# Altium PCB touch-2ch-v4.PcbDoc (part 3 of 8)
Units mm, origin at the board's own origin, x right, y up, seen from the top; angles counter-clockwise.
Board outline 39.88 x 84.36 mm, 2 copper layers (Top Layer, Bottom Layer); 1029 components, 40 nets, 2604 pads, 0 vias.
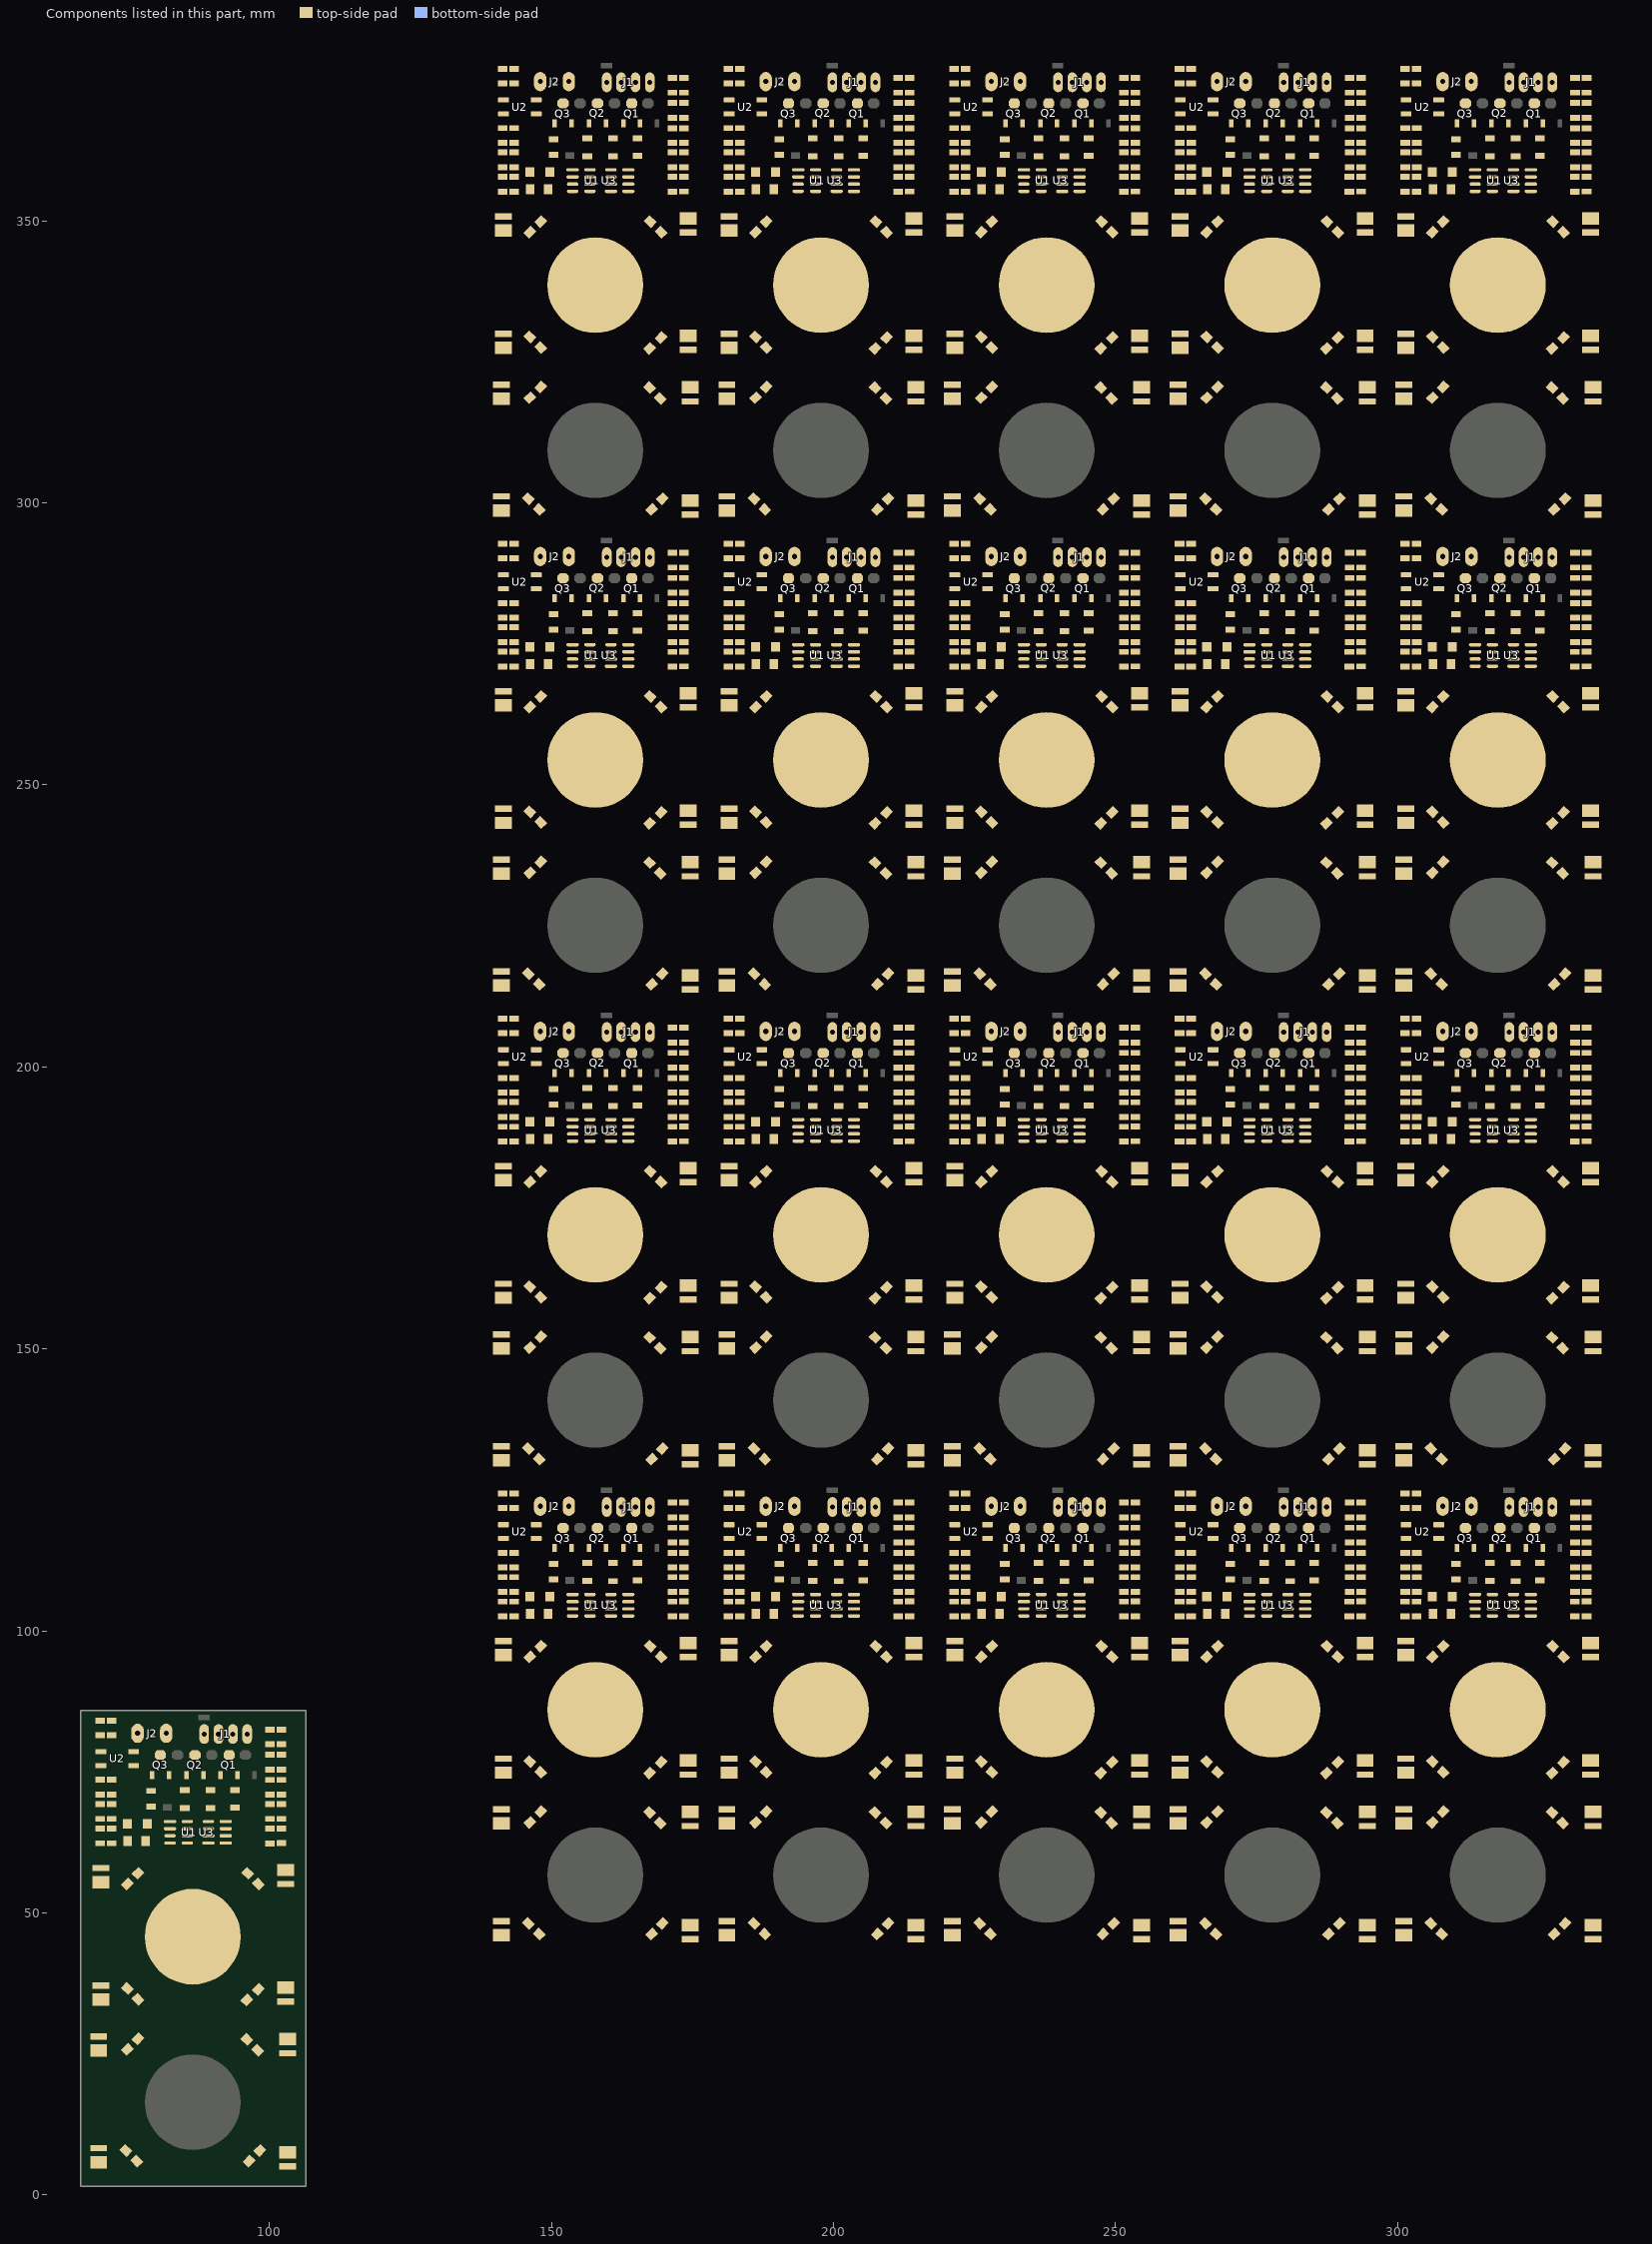
[diagram p3: the components of this part, seen from the top]

## Nets (pads, with @x,y where several pads share a name; then routed paths per layer and width w, separated by ;. In a path a pad name is that pad's centre, name@x,y a point inside that pad or via, vN(x,y) a via of type N, cw(c..) or ccw(c..) an arc to the next point about the centre after c; other vN are vias at no path point) (continued)
pads on no net: C1.1@146.177,106.045 C1.1@146.177,190.245 C1.1@146.177,274.445 C1.1@146.177,358.645 C1.1@186.177,106.045 C1.1@186.177,190.245 C1.1@186.177,274.445 C1.1@186.177,358.645 C1.1@226.177,106.045 C1.1@226.177,190.245 C1.1@226.177,274.445 C1.1@226.177,358.645 C1.1@266.177,106.045 C1.1@266.177,190.245 C1.1@266.177,274.445 C1.1@266.177,358.645 C1.1@306.177,106.045 C1.1@306.177,190.245 C1.1@306.177,274.445 C1.1@306.177,358.645 C1.2@149.733,106.045 C1.2@149.733,190.245 C1.2@149.733,274.445 C1.2@149.733,358.645 C1.2@189.733,106.045 C1.2@189.733,190.245 C1.2@189.733,274.445 C1.2@189.733,358.645 C1.2@229.733,106.045 C1.2@229.733,190.245 C1.2@229.733,274.445 C1.2@229.733,358.645 C1.2@269.733,106.045 C1.2@269.733,190.245 C1.2@269.733,274.445 C1.2@269.733,358.645 C1.2@309.733,106.045 C1.2@309.733,190.245 C1.2@309.733,274.445 C1.2@309.733,358.645 D1.1@149.432,102.997 D1.1@149.432,187.197 D1.1@149.432,271.397 D1.1@149.432,355.597 D1.1@189.432,102.997 D1.1@189.432,187.197 D1.1@189.432,271.397 D1.1@189.432,355.597 D1.1@229.432,102.997 D1.1@229.432,187.197 D1.1@229.432,271.397 D1.1@229.432,355.597 D1.1@269.432,102.997 D1.1@269.432,187.197 D1.1@269.432,271.397 D1.1@269.432,355.597 D1.1@309.432,102.997 D1.1@309.432,187.197 D1.1@309.432,271.397 D1.1@309.432,355.597 D1.2@146.252,102.997 D1.2@146.252,187.197 D1.2@146.252,271.397 D1.2@146.252,355.597 D1.2@186.252,102.997 D1.2@186.252,187.197 D1.2@186.252,271.397 D1.2@186.252,355.597 D1.2@226.252,102.997 D1.2@226.252,187.197 D1.2@226.252,271.397 D1.2@226.252,355.597 D1.2@266.252,102.997 D1.2@266.252,187.197 D1.2@266.252,271.397 D1.2@266.252,355.597 D1.2@306.252,102.997 D1.2@306.252,187.197 D1.2@306.252,271.397 D1.2@306.252,355.597 D2.1@167.513,97.282 D2.1@167.513,181.482 D2.1@167.513,265.682 D2.1@167.513,349.882 D2.1@207.513,97.282 D2.1@207.513,181.482 D2.1@207.513,265.682 D2.1@207.513,349.882 D2.1@247.513,97.282 D2.1@247.513,181.482 D2.1@247.513,265.682 D2.1@247.513,349.882 D2.1@287.513,97.282 D2.1@287.513,181.482 D2.1@287.513,265.682 D2.1@287.513,349.882 D2.1@327.513,97.282 D2.1@327.513,181.482 D2.1@327.513,265.682 D2.1@327.513,349.882 D2.2@169.418,95.377 D2.2@169.418,179.577 D2.2@169.418,263.777 D2.2@169.418,347.977 D2.2@209.418,95.377 D2.2@209.418,179.577 D2.2@209.418,263.777 D2.2@209.418,347.977 D2.2@249.418,95.377 D2.2@249.418,179.577 D2.2@249.418,263.777 D2.2@249.418,347.977 D2.2@289.418,95.377 D2.2@289.418,179.577 D2.2@289.418,263.777 D2.2@289.418,347.977 D2.2@329.418,95.377 D2.2@329.418,179.577 D2.2@329.418,263.777 D2.2@329.418,347.977 D3.1@169.418,76.708 D3.1@169.418,160.908 D3.1@169.418,245.108 D3.1@169.418,329.308 D3.1@209.418,76.708 D3.1@209.418,160.908 D3.1@209.418,245.108 D3.1@209.418,329.308 D3.1@249.418,76.708 D3.1@249.418,160.908 D3.1@249.418,245.108 D3.1@249.418,329.308 D3.1@289.418,76.708 D3.1@289.418,160.908 D3.1@289.418,245.108 D3.1@289.418,329.308 D3.1@329.418,76.708 D3.1@329.418,160.908 D3.1@329.418,245.108 D3.1@329.418,329.308 D3.2@167.386,74.803 D3.2@167.386,159.003 D3.2@167.386,243.203 D3.2@167.386,327.403 D3.2@207.386,74.803 D3.2@207.386,159.003 D3.2@207.386,243.203 D3.2@207.386,327.403 D3.2@247.386,74.803 D3.2@247.386,159.003 D3.2@247.386,243.203 D3.2@247.386,327.403 D3.2@287.386,74.803 D3.2@287.386,159.003 D3.2@287.386,243.203 D3.2@287.386,327.403 D3.2@327.386,74.803 D3.2@327.386,159.003 D3.2@327.386,243.203 D3.2@327.386,327.403 D4.1@167.386,67.818 D4.1@167.386,152.018 D4.1@167.386,236.218 D4.1@167.386,320.418 D4.1@207.386,67.818 D4.1@207.386,152.018 D4.1@207.386,236.218 D4.1@207.386,320.418 D4.1@247.386,67.818 D4.1@247.386,152.018 D4.1@247.386,236.218 D4.1@247.386,320.418 D4.1@287.386,67.818 D4.1@287.386,152.018 D4.1@287.386,236.218 D4.1@287.386,320.418 D4.1@327.386,67.818 D4.1@327.386,152.018 D4.1@327.386,236.218 D4.1@327.386,320.418 D4.2@169.291,65.913 D4.2@169.291,150.113 D4.2@169.291,234.313 D4.2@169.291,318.513 D4.2@209.291,65.913 D4.2@209.291,150.113 D4.2@209.291,234.313 D4.2@209.291,318.513 D4.2@249.291,65.913 D4.2@249.291,150.113 D4.2@249.291,234.313 D4.2@249.291,318.513 D4.2@289.291,65.913 D4.2@289.291,150.113 D4.2@289.291,234.313 D4.2@289.291,318.513 D4.2@329.291,65.913 D4.2@329.291,150.113 D4.2@329.291,234.313 D4.2@329.291,318.513 D5.1@169.672,48.133 D5.1@169.672,132.333 D5.1@169.672,216.533 D5.1@169.672,300.733 D5.1@209.672,48.133 D5.1@209.672,132.333 D5.1@209.672,216.533 D5.1@209.672,300.733 D5.1@249.672,48.133 D5.1@249.672,132.333 D5.1@249.672,216.533 D5.1@249.672,300.733 D5.1@289.672,48.133 D5.1@289.672,132.333 D5.1@289.672,216.533 D5.1@289.672,300.733 D5.1@329.672,48.133 D5.1@329.672,132.333 D5.1@329.672,216.533 D5.1@329.672,300.733 D5.2@167.767,46.228 D5.2@167.767,130.428 D5.2@167.767,214.628 D5.2@167.767,298.828 D5.2@207.767,46.228 D5.2@207.767,130.428 D5.2@207.767,214.628 D5.2@207.767,298.828 D5.2@247.767,46.228 D5.2@247.767,130.428 D5.2@247.767,214.628 D5.2@247.767,298.828 D5.2@287.767,46.228 D5.2@287.767,130.428 D5.2@287.767,214.628 D5.2@287.767,298.828 D5.2@327.767,46.228 D5.2@327.767,130.428 D5.2@327.767,214.628 D5.2@327.767,298.828 D6.1@147.828,46.228 D6.1@147.828,130.428 D6.1@147.828,214.628 D6.1@147.828,298.828 D6.1@187.828,46.228 D6.1@187.828,130.428 D6.1@187.828,214.628 D6.1@187.828,298.828 D6.1@227.828,46.228 D6.1@227.828,130.428 D6.1@227.828,214.628 D6.1@227.828,298.828 D6.1@267.828,46.228 D6.1@267.828,130.428 D6.1@267.828,214.628 D6.1@267.828,298.828 D6.1@307.828,46.228 D6.1@307.828,130.428 D6.1@307.828,214.628 D6.1@307.828,298.828 D6.2@145.923,48.133 D6.2@145.923,132.333 D6.2@145.923,216.533 D6.2@145.923,300.733 D6.2@185.923,48.133 D6.2@185.923,132.333 D6.2@185.923,216.533 D6.2@185.923,300.733 D6.2@225.923,48.133 D6.2@225.923,132.333 D6.2@225.923,216.533 D6.2@225.923,300.733 D6.2@265.923,48.133 D6.2@265.923,132.333 D6.2@265.923,216.533 D6.2@265.923,300.733 D6.2@305.923,48.133 D6.2@305.923,132.333 D6.2@305.923,216.533 D6.2@305.923,300.733 D7.1@146.177,66.04 D7.1@146.177,150.24 D7.1@146.177,234.44 D7.1@146.177,318.64 D7.1@186.177,66.04 D7.1@186.177,150.24 D7.1@186.177,234.44 D7.1@186.177,318.64 D7.1@226.177,66.04 D7.1@226.177,150.24 D7.1@226.177,234.44 D7.1@226.177,318.64 D7.1@266.177,66.04 D7.1@266.177,150.24 D7.1@266.177,234.44 D7.1@266.177,318.64 D7.1@306.177,66.04 D7.1@306.177,150.24 D7.1@306.177,234.44 D7.1@306.177,318.64 D7.2@148.082,67.945 D7.2@148.082,152.145 D7.2@148.082,236.345 D7.2@148.082,320.545 D7.2@188.082,67.945 D7.2@188.082,152.145 D7.2@188.082,236.345 D7.2@188.082,320.545 D7.2@228.082,67.945 D7.2@228.082,152.145 D7.2@228.082,236.345 D7.2@228.082,320.545 D7.2@268.082,67.945 D7.2@268.082,152.145 D7.2@268.082,236.345 D7.2@268.082,320.545 D7.2@308.082,67.945 D7.2@308.082,152.145 D7.2@308.082,236.345 D7.2@308.082,320.545 D8.1@148.082,74.93 D8.1@148.082,159.13 D8.1@148.082,243.33 D8.1@148.082,327.53 D8.1@188.082,74.93 D8.1@188.082,159.13 D8.1@188.082,243.33 D8.1@188.082,327.53 D8.1@228.082,74.93 D8.1@228.082,159.13 D8.1@228.082,243.33 D8.1@228.082,327.53 D8.1@268.082,74.93 D8.1@268.082,159.13 D8.1@268.082,243.33 D8.1@268.082,327.53 D8.1@308.082,74.93 D8.1@308.082,159.13 D8.1@308.082,243.33 D8.1@308.082,327.53 D8.2@146.177,76.835 D8.2@146.177,161.035 D8.2@146.177,245.235 D8.2@146.177,329.435 D8.2@186.177,76.835 D8.2@186.177,161.035 D8.2@186.177,245.235 D8.2@186.177,329.435 D8.2@226.177,76.835 D8.2@226.177,161.035 D8.2@226.177,245.235 D8.2@226.177,329.435 D8.2@266.177,76.835 D8.2@266.177,161.035 D8.2@266.177,245.235 D8.2@266.177,329.435 D8.2@306.177,76.835 D8.2@306.177,161.035 D8.2@306.177,245.235 D8.2@306.177,329.435 D9.1@146.177,95.377 D9.1@146.177,179.577 D9.1@146.177,263.777 D9.1@146.177,347.977 D9.1@186.177,95.377 D9.1@186.177,179.577 D9.1@186.177,263.777 D9.1@186.177,347.977 D9.1@226.177,95.377 D9.1@226.177,179.577 D9.1@226.177,263.777 D9.1@226.177,347.977 D9.1@266.177,95.377 D9.1@266.177,179.577 D9.1@266.177,263.777 D9.1@266.177,347.977 D9.1@306.177,95.377 D9.1@306.177,179.577 D9.1@306.177,263.777 D9.1@306.177,347.977 D9.2@148.082,97.282 D9.2@148.082,181.482 D9.2@148.082,265.682 D9.2@148.082,349.882 D9.2@188.082,97.282 D9.2@188.082,181.482 D9.2@188.082,265.682 D9.2@188.082,349.882 D9.2@228.082,97.282 D9.2@228.082,181.482 D9.2@228.082,265.682 D9.2@228.082,349.882 D9.2@268.082,97.282 D9.2@268.082,181.482 D9.2@268.082,265.682 D9.2@268.082,349.882 D9.2@308.082,97.282 D9.2@308.082,181.482 D9.2@308.082,265.682 D9.2@308.082,349.882 D10.1@141.478,98.188 D10.1@141.478,182.388 D10.1@141.478,266.588 D10.1@141.478,350.788 D10.1@181.478,98.188 D10.1@181.478,182.388 D10.1@181.478,266.588 D10.1@181.478,350.788 D10.1@221.478,98.188 D10.1@221.478,182.388 D10.1@221.478,266.588 D10.1@221.478,350.788 D10.1@261.478,98.188 D10.1@261.478,182.388 D10.1@261.478,266.588 D10.1@261.478,350.788 D10.1@301.478,98.188 D10.1@301.478,182.388 D10.1@301.478,266.588 D10.1@301.478,350.788 D10.2@141.478,95.688 D10.2@141.478,179.888 D10.2@141.478,264.088 D10.2@141.478,348.288 D10.2@181.478,95.688 D10.2@181.478,179.888 D10.2@181.478,264.088 D10.2@181.478,348.288 D10.2@221.478,95.688 D10.2@221.478,179.888 D10.2@221.478,264.088 D10.2@221.478,348.288 D10.2@261.478,95.688 D10.2@261.478,179.888 D10.2@261.478,264.088 D10.2@261.478,348.288 D10.2@301.478,95.688 D10.2@301.478,179.888 D10.2@301.478,264.088 D10.2@301.478,348.288 D11.1@141.478,77.36 D11.1@141.478,161.56 D11.1@141.478,245.76 D11.1@141.478,329.96 D11.1@181.478,77.36 D11.1@181.478,161.56 D11.1@181.478,245.76 D11.1@181.478,329.96 D11.1@221.478,77.36 D11.1@221.478,161.56 D11.1@221.478,245.76 D11.1@221.478,329.96 D11.1@261.478,77.36 D11.1@261.478,161.56 D11.1@261.478,245.76 D11.1@261.478,329.96 D11.1@301.478,77.36 D11.1@301.478,161.56 D11.1@301.478,245.76 D11.1@301.478,329.96 D11.2@141.478,74.86 D11.2@141.478,159.06 D11.2@141.478,243.26 D11.2@141.478,327.46 D11.2@181.478,74.86 D11.2@181.478,159.06 D11.2@181.478,243.26 D11.2@181.478,327.46 D11.2@221.478,74.86 D11.2@221.478,159.06 D11.2@221.478,243.26 D11.2@221.478,327.46 D11.2@261.478,74.86 D11.2@261.478,159.06 D11.2@261.478,243.26 D11.2@261.478,327.46 D11.2@301.478,74.86 D11.2@301.478,159.06 D11.2@301.478,243.26 D11.2@301.478,327.46 D12.1@174.244,74.532 D12.1@174.244,158.732 D12.1@174.244,242.932 D12.1@174.244,327.132 D12.1@214.244,74.532 D12.1@214.244,158.732 D12.1@214.244,242.932 D12.1@214.244,327.132 D12.1@254.244,74.532 D12.1@254.244,158.732 D12.1@254.244,242.932 D12.1@254.244,327.132 D12.1@294.244,74.532 D12.1@294.244,158.732 D12.1@294.244,242.932 D12.1@294.244,327.132 D12.1@334.244,74.532 D12.1@334.244,158.732 D12.1@334.244,242.932 D12.1@334.244,327.132 D12.2@174.244,77.032 D12.2@174.244,161.232 D12.2@174.244,245.432 D12.2@174.244,329.632 D12.2@214.244,77.032 D12.2@214.244,161.232 D12.2@214.244,245.432 D12.2@214.244,329.632 D12.2@254.244,77.032 D12.2@254.244,161.232 D12.2@254.244,245.432 D12.2@254.244,329.632 D12.2@294.244,77.032 D12.2@294.244,161.232 D12.2@294.244,245.432 D12.2@294.244,329.632 D12.2@334.244,77.032 D12.2@334.244,161.232 D12.2@334.244,245.432 D12.2@334.244,329.632 D13.1@174.244,95.36 D13.1@174.244,179.56 D13.1@174.244,263.76 D13.1@174.244,347.96 D13.1@214.244,95.36 D13.1@214.244,179.56 D13.1@214.244,263.76 D13.1@214.244,347.96 D13.1@254.244,95.36 D13.1@254.244,179.56 D13.1@254.244,263.76 D13.1@254.244,347.96 D13.1@294.244,95.36 D13.1@294.244,179.56 D13.1@294.244,263.76 D13.1@294.244,347.96 D13.1@334.244,95.36 D13.1@334.244,179.56 D13.1@334.244,263.76 D13.1@334.244,347.96 D13.2@174.244,97.86 D13.2@174.244,182.06 D13.2@174.244,266.26 D13.2@174.244,350.46 D13.2@214.244,97.86 D13.2@214.244,182.06 D13.2@214.244,266.26 D13.2@214.244,350.46 D13.2@254.244,97.86 D13.2@254.244,182.06 D13.2@254.244,266.26 D13.2@254.244,350.46 D13.2@294.244,97.86 D13.2@294.244,182.06 D13.2@294.244,266.26 D13.2@294.244,350.46 D13.2@334.244,97.86 D13.2@334.244,182.06 D13.2@334.244,266.26 D13.2@334.244,350.46 D14.1@141.097,68.343 D14.1@141.097,152.543 D14.1@141.097,236.743 D14.1@141.097,320.943 D14.1@181.097,68.343 D14.1@181.097,152.543 D14.1@181.097,236.743 D14.1@181.097,320.943 D14.1@221.097,68.343 D14.1@221.097,152.543 D14.1@221.097,236.743 D14.1@221.097,320.943 D14.1@261.097,68.343 D14.1@261.097,152.543 D14.1@261.097,236.743 D14.1@261.097,320.943 D14.1@301.097,68.343 D14.1@301.097,152.543 D14.1@301.097,236.743 D14.1@301.097,320.943 D14.2@141.097,65.843 D14.2@141.097,150.043 D14.2@141.097,234.243 D14.2@141.097,318.443 D14.2@181.097,65.843 D14.2@181.097,150.043 D14.2@181.097,234.243 D14.2@181.097,318.443 D14.2@221.097,65.843 D14.2@221.097,150.043 D14.2@221.097,234.243 D14.2@221.097,318.443 D14.2@261.097,65.843 D14.2@261.097,150.043 D14.2@261.097,234.243 D14.2@261.097,318.443 D14.2@301.097,65.843 D14.2@301.097,150.043 D14.2@301.097,234.243 D14.2@301.097,318.443 D15.1@141.097,48.531 D15.1@141.097,132.731 D15.1@141.097,216.931 D15.1@141.097,301.131 D15.1@181.097,48.531 D15.1@181.097,132.731 D15.1@181.097,216.931 D15.1@181.097,301.131 D15.1@221.097,48.531 D15.1@221.097,132.731 D15.1@221.097,216.931 D15.1@221.097,301.131 D15.1@261.097,48.531 D15.1@261.097,132.731 D15.1@261.097,216.931 D15.1@261.097,301.131 D15.1@301.097,48.531 D15.1@301.097,132.731 D15.1@301.097,216.931 D15.1@301.097,301.131 D15.2@141.097,46.031 D15.2@141.097,130.231 D15.2@141.097,214.431 D15.2@141.097,298.631 D15.2@181.097,46.031 D15.2@181.097,130.231 D15.2@181.097,214.431 D15.2@181.097,298.631 D15.2@221.097,46.031 D15.2@221.097,130.231 D15.2@221.097,214.431 D15.2@221.097,298.631 D15.2@261.097,46.031 D15.2@261.097,130.231 D15.2@261.097,214.431 D15.2@261.097,298.631 D15.2@301.097,46.031 D15.2@301.097,130.231 D15.2@301.097,214.431 D15.2@301.097,298.631 D16.1@174.625,45.322 D16.1@174.625,129.522 D16.1@174.625,213.722 D16.1@174.625,297.922 D16.1@214.625,45.322 D16.1@214.625,129.522 D16.1@214.625,213.722 D16.1@214.625,297.922 D16.1@254.625,45.322 D16.1@254.625,129.522 D16.1@254.625,213.722 D16.1@254.625,297.922 D16.1@294.625,45.322 D16.1@294.625,129.522 D16.1@294.625,213.722 D16.1@294.625,297.922 D16.1@334.625,45.322 D16.1@334.625,129.522 D16.1@334.625,213.722 D16.1@334.625,297.922 D16.2@174.625,47.822 D16.2@174.625,132.022 D16.2@174.625,216.222 D16.2@174.625,300.422 D16.2@214.625,47.822 D16.2@214.625,132.022 D16.2@214.625,216.222 D16.2@214.625,300.422 D16.2@254.625,47.822 D16.2@254.625,132.022 D16.2@254.625,216.222 D16.2@254.625,300.422 D16.2@294.625,47.822 D16.2@294.625,132.022 D16.2@294.625,216.222 D16.2@294.625,300.422 D16.2@334.625,47.822 D16.2@334.625,132.022 D16.2@334.625,216.222 D16.2@334.625,300.422 D17.1@174.625,65.388 D17.1@174.625,149.588 D17.1@174.625,233.788 D17.1@174.625,317.988 D17.1@214.625,65.388 D17.1@214.625,149.588 D17.1@214.625,233.788 D17.1@214.625,317.988 D17.1@254.625,65.388 D17.1@254.625,149.588 D17.1@254.625,233.788 D17.1@254.625,317.988 D17.1@294.625,65.388 D17.1@294.625,149.588 D17.1@294.625,233.788 D17.1@294.625,317.988 D17.1@334.625,65.388 D17.1@334.625,149.588 D17.1@334.625,233.788 D17.1@334.625,317.988 D17.2@174.625,67.888 D17.2@174.625,152.088 D17.2@174.625,236.288 D17.2@174.625,320.488 D17.2@214.625,67.888 D17.2@214.625,152.088 D17.2@214.625,236.288 D17.2@214.625,320.488 D17.2@254.625,67.888 D17.2@254.625,152.088 D17.2@254.625,236.288 D17.2@254.625,320.488 D17.2@294.625,67.888 D17.2@294.625,152.088 D17.2@294.625,236.288 D17.2@294.625,320.488 D17.2@334.625,67.888 D17.2@334.625,152.088 D17.2@334.625,236.288 D17.2@334.625,320.488 J1.1@167.431,121.965 J1.1@167.431,206.165 J1.1@167.431,290.365 J1.1@167.431,374.565 J1.1@207.431,121.965 J1.1@207.431,206.165 J1.1@207.431,290.365 J1.1@207.431,374.565 J1.1@247.431,121.965 J1.1@247.431,206.165 J1.1@247.431,290.365 J1.1@247.431,374.565 J1.1@287.431,121.965 J1.1@287.431,206.165 J1.1@287.431,290.365 J1.1@287.431,374.565 J1.1@327.431,121.965 J1.1@327.431,206.165 J1.1@327.431,290.365 J1.1@327.431,374.565 J1.2@164.891,121.965 J1.2@164.891,206.165 J1.2@164.891,290.365 J1.2@164.891,374.565 J1.2@204.891,121.965 J1.2@204.891,206.165 J1.2@204.891,290.365 J1.2@204.891,374.565 J1.2@244.891,121.965 J1.2@244.891,206.165 J1.2@244.891,290.365 J1.2@244.891,374.565 J1.2@284.891,121.965 J1.2@284.891,206.165 J1.2@284.891,290.365 J1.2@284.891,374.565 J1.2@324.891,121.965 J1.2@324.891,206.165 J1.2@324.891,290.365 J1.2@324.891,374.565 J1.3@162.351,121.965 J1.3@162.351,206.165 J1.3@162.351,290.365 J1.3@162.351,374.565 J1.3@202.351,121.965 J1.3@202.351,206.165 J1.3@202.351,290.365 J1.3@202.351,374.565 J1.3@242.351,121.965 J1.3@242.351,206.165 J1.3@242.351,290.365 J1.3@242.351,374.565 J1.3@282.351,121.965 J1.3@282.351,206.165 J1.3@282.351,290.365 J1.3@282.351,374.565 J1.3@322.351,121.965 J1.3@322.351,206.165 J1.3@322.351,290.365 J1.3@322.351,374.565 J1.4@159.811,121.965 J1.4@159.811,206.165 J1.4@159.811,290.365 J1.4@159.811,374.565 J1.4@199.811,121.965 J1.4@199.811,206.165 J1.4@199.811,290.365 J1.4@199.811,374.565 J1.4@239.811,121.965 J1.4@239.811,206.165 J1.4@239.811,290.365 J1.4@239.811,374.565 J1.4@279.811,121.965 J1.4@279.811,206.165 J1.4@279.811,290.365 J1.4@279.811,374.565 J1.4@319.811,121.965 J1.4@319.811,206.165 J1.4@319.811,290.365 J1.4@319.811,374.565 J2.1@148,122.092 J2.1@148,206.292 J2.1@148,290.492 J2.1@148,374.692 J2.1@188,122.092 J2.1@188,206.292 J2.1@188,290.492 J2.1@188,374.692 J2.1@228,122.092 J2.1@228,206.292 J2.1@228,290.492 J2.1@228,374.692 J2.1@268,122.092 J2.1@268,206.292 J2.1@268,290.492 J2.1@268,374.692 J2.1@308,122.092 J2.1@308,206.292 J2.1@308,290.492 J2.1@308,374.692 J2.2 J2.3@153.08,122.092 J2.3@153.08,206.292 J2.3@153.08,290.492 J2.3@153.08,374.692 J2.3@193.08,122.092 J2.3@193.08,206.292 J2.3@193.08,290.492 J2.3@193.08,374.692 J2.3@233.08,122.092 J2.3@233.08,206.292 J2.3@233.08,290.492 J2.3@233.08,374.692 J2.3@273.08,122.092 J2.3@273.08,206.292 J2.3@273.08,290.492 J2.3@273.08,374.692 J2.3@313.08,122.092 J2.3@313.08,206.292 J2.3@313.08,290.492 J2.3@313.08,374.692 P1.1@157.779,86.024 P1.1@157.779,170.224 P1.1@157.779,254.424 P1.1@157.779,338.624 P1.1@197.779,86.024 P1.1@197.779,170.224 P1.1@197.779,254.424 P1.1@197.779,338.624 P1.1@237.779,86.024 P1.1@237.779,170.224 P1.1@237.779,254.424 P1.1@237.779,338.624 P1.1@277.779,86.024 P1.1@277.779,170.224 P1.1@277.779,254.424 P1.1@277.779,338.624 P1.1@317.779,86.024 P1.1@317.779,170.224 P1.1@317.779,254.424 P1.1@317.779,338.624 Q1.1@162.734,114.682 Q1.1@162.734,198.881 Q1.1@162.734,283.081 Q1.1@162.734,367.281 Q1.1@202.734,114.682 Q1.1@202.734,198.881 Q1.1@202.734,283.081 Q1.1@202.734,367.281 Q1.1@242.733,114.682 Q1.1@242.733,198.881 Q1.1@242.733,283.081 Q1.1@242.733,367.281 Q1.1@282.734,114.682 Q1.1@282.734,198.881 Q1.1@282.734,283.081 Q1.1@282.734,367.281 Q1.1@322.733,114.682 Q1.1@322.733,198.881 Q1.1@322.733,283.081 Q1.1@322.733,367.281 Q1.2@164.234,118.237 Q1.2@164.234,202.437 Q1.2@164.234,286.637 Q1.2@164.234,370.837 Q1.2@204.234,118.237 Q1.2@204.234,202.437 Q1.2@204.234,286.637 Q1.2@204.234,370.837 Q1.2@244.234,118.237 Q1.2@244.234,202.437 Q1.2@244.234,286.637 Q1.2@244.234,370.837 Q1.2@284.234,118.237 Q1.2@284.234,202.437 Q1.2@284.234,286.637 Q1.2@284.234,370.837 Q1.2@324.234,118.237 Q1.2@324.234,202.437 Q1.2@324.234,286.637 Q1.2@324.234,370.837 Q1.3@165.734,114.682 Q1.3@165.734,198.881 Q1.3@165.734,283.081 Q1.3@165.734,367.281 Q1.3@205.734,114.682 Q1.3@205.734,198.881 Q1.3@205.734,283.081 Q1.3@205.734,367.281 Q1.3@245.733,114.682 Q1.3@245.733,198.881 Q1.3@245.733,283.081 Q1.3@245.733,367.281 Q1.3@285.734,114.682 Q1.3@285.734,198.881 Q1.3@285.734,283.081 Q1.3@285.734,367.281 Q1.3@325.733,114.682 Q1.3@325.733,198.881 Q1.3@325.733,283.081 Q1.3@325.733,367.281 Q2.1@156.662,114.703 Q2.1@156.662,198.903 Q2.1@156.662,283.103 Q2.1@156.662,367.303 Q2.1@196.662,114.703 Q2.1@196.662,198.903 Q2.1@196.662,283.103 Q2.1@196.662,367.303 Q2.1@236.662,114.703 Q2.1@236.662,198.903 Q2.1@236.662,283.103 Q2.1@236.662,367.303 Q2.1@276.662,114.703 Q2.1@276.662,198.903 Q2.1@276.662,283.103 Q2.1@276.662,367.303 Q2.1@316.661,114.703 Q2.1@316.661,198.903 Q2.1@316.661,283.103 Q2.1@316.661,367.303 Q2.2@158.162,118.237 Q2.2@158.162,202.437 Q2.2@158.162,286.637 Q2.2@158.162,370.837 Q2.2@198.162,118.237 Q2.2@198.162,202.437 Q2.2@198.162,286.637 Q2.2@198.162,370.837 Q2.2@238.162,118.237 Q2.2@238.162,202.437 Q2.2@238.162,286.637 Q2.2@238.162,370.837 Q2.2@278.162,118.237 Q2.2@278.162,202.437 Q2.2@278.162,286.637 